# Allegro board gps_interface_boardv46ph.brd (continued)
## Routing (per net, layer and track width the routed paths; a pad name or vN(x,y) marks a point on that pad's centre or on a via; arc(x,y) is an arc through that point) (continued)
  TOP w0.17: R2660.1 5.47,22.21 U100.B2
PPS_OUT_N: length 3.7
  TOP w0.33: U2.6 41.9,130.52 41.96,130.46 41.96,128.55 R12.1
PPS_OUT_P: length 3.6
  TOP w0.33: R11.1 42.49,128.3 42.49,130.46 42.55,130.52 U2.7
R_N_SFP INTERFACE_SFP1: length 2.4
  TOP w0.178: R130.2 281.61,86.34 U22.15
R_N_SFP INTERFACE_SFP2: length 2.4
  TOP w0.178: U26.15 259.54,86.45 R151.2
R_N_SFP INTERFACE_SFP3: length 2.4
  TOP w0.178: R172.2 237.24,86.45 U30.15
R_N_SFP INTERFACE_SFP4: length 2.4
  TOP w0.178: R193.2 208.03,86.45 U34.15
R_N_SFP INTERFACE_SFP5: length 2.4
  TOP w0.178: R214.2 185.73,86.45 U38.15
R_N_SFP INTERFACE_SFP6: length 2.4
  TOP w0.178: R235.2 163.61,86.45 U42.15
R_P_SFP INTERFACE_SFP1: length 2
  TOP w0.178: U22.14 282.13,85.39 R128.2
R_P_SFP INTERFACE_SFP2: length 2
  TOP w0.178: U26.14 260.06,85.49 R149.2
R_P_SFP INTERFACE_SFP3: length 2
  TOP w0.178: R170.2 237.76,85.49 U30.14
R_P_SFP INTERFACE_SFP4: length 2
  TOP w0.178: R191.2 208.55,85.49 U34.14
R_P_SFP INTERFACE_SFP5: length 2
  TOP w0.178: R212.2 186.24,85.49 U38.14
R_P_SFP INTERFACE_SFP6: length 2
  TOP w0.178: R233.2 164.12,85.49 U42.14
RECOV_ACLK_CLK_N: length 7.2
  TOP w0.203: 109.23,83.12 109.25,83.13 U48.2
  TOP w0.33: 106.57,85.65 R2693.2 ; 106.57,85.65 107.06,85.65 107.42,85.29 107.42,84.15 108.45,83.12 109.23,83.12 ; 106.57,85.65 105.45,85.65 C2738.2
RECOV_ACLK_CLK_P: length 7.2
  TOP w0.203: U48.1 109.25,83.63 109.23,83.65
  TOP w0.33: 106.55,86.18 R2693.1 ; 106.55,86.18 105.45,86.18 C2737.2 ; 106.55,86.18 107.28,86.18 107.95,85.51 107.95,84.37 108.67,83.65 109.23,83.65
RS_SFP INTERFACE_ACLK SFP: length 2.7
  TOP w0.203: J30.7 v1(136.01,121.94)
  BOTTOM w0.203: v1(136.01,121.94) 136.01,122.51 136.02,122.52 R2681.2
RS_SFP INTERFACE_SFP1: length 2.7
  TOP w0.203: J13.7 v1(283.28,121.99)
  BOTTOM w0.203: v1(283.28,121.99) 283.28,122.56 283.29,122.57 R129.2 283.29,123.07
RS_SFP INTERFACE_SFP2: length 2.7
  TOP w0.203: J14.7 v1(261.21,121.94)
  BOTTOM w0.203: R150.2 261.21,122.52 261.21,122.51 v1(261.21,121.94)
RS_SFP INTERFACE_SFP3: length 2.7
  TOP w0.203: J18.7 v1(238.91,121.94)
  BOTTOM w0.203: R171.2 238.91,122.52 238.91,122.51 v1(238.91,121.94)
RS_SFP INTERFACE_SFP4: length 2.7
  TOP w0.203: J19.7 v1(209.67,121.94)
  BOTTOM w0.203: R192.2 209.68,122.52 209.67,122.51 v1(209.67,121.94)
RS_SFP INTERFACE_SFP5: length 2.7
  TOP w0.203: J20.7 v1(187.37,121.94)
  BOTTOM w0.203: R213.2 187.38,122.52 187.37,122.51 v1(187.37,121.94)
RS_SFP INTERFACE_SFP6: length 2.7
  TOP w0.203: J21.7 v1(165.25,121.94)
  BOTTOM w0.203: v1(165.25,121.94) 165.25,122.51 165.25,122.52 R234.2
RT_5V5: length 2.6
  TOP w0.165: U6.26 9.38,48.62 8.81,49.19 R42.1
SFP_RD_N: length 20.6
  TOP w0.33: J30.12 134.81,110.59 134.95,110.46 134.95,108.14 135.36,107.73 135.36,101.73 137.79,99.29 137.79,96.55 137.3,96.05 U107.4
SFP_RD_P: length 20.5
  TOP w0.33: U107.1 138.8,96.07 138.33,96.55 138.33,99.51 135.89,101.95 135.89,107.95 135.48,108.36 135.48,110.46 135.61,110.59 J30.13
SFP_TD_N_SFP INTERFACE_SFP1: length 38
  TOP w0.178: C141.2 288.69,81.97 R122.2 R126.1
  TOP w0.33: J13.19 287.68,110.64 287.55,110.51 287.55,108.46 286.64,107.55 286.64,98.35 293.67,91.31 293.67,85.93 291.19,83.44 288.94,83.44 C141.2
SFP_TD_N_SFP INTERFACE_SFP2: length 37.9
  TOP w0.178: C164.2 266.61,82.07 R143.2 R147.1
  TOP w0.33: C164.2 266.87,83.54 269.27,83.54 271.6,85.88 271.6,91.26 264.57,98.3 264.57,107.5 265.48,108.41 265.48,110.46 265.61,110.59 J14.19
SFP_TD_N_SFP INTERFACE_SFP3: length 37.9
  TOP w0.178: C187.2 244.31,82.07 R164.2 R168.1
  TOP w0.33: J18.19 243.31,110.59 243.18,110.46 243.18,108.41 242.27,107.5 242.27,98.3 249.3,91.26 249.3,85.88 246.99,83.57 244.59,83.57 C187.2
SFP_TD_N_SFP INTERFACE_SFP4: length 37.9
  TOP w0.178: R189.1 R185.2 215.1,82.07 C210.2
  TOP w0.33: J19.19 214.07,110.59 213.94,110.46 213.94,108.41 213.03,107.5 213.03,98.3 220.07,91.26 220.07,85.88 217.65,83.46 215.28,83.46 C210.2
SFP_TD_N_SFP INTERFACE_SFP5: length 37.3
  TOP w0.178: C233.2 192.8,82.07 R206.2 R210.1
  TOP w0.33: J20.19 191.77,110.59 191.64,110.46 191.64,108.41 190.73,107.5 190.73,98.09 196.95,91.86 196.95,84.95 195.57,83.57 193.08,83.57 C233.2
SFP_TD_N_SFP INTERFACE_SFP6: length 37.9
  TOP w0.178: R231.1 R227.2 170.68,82.07 C256.2
  TOP w0.33: J21.19 169.65,110.59 169.52,110.46 169.52,108.41 168.61,107.5 168.61,98.3 175.64,91.26 175.64,85.88 173.23,83.46 170.86,83.46 C256.2
SFP_TD_P_SFP INTERFACE_SFP1: length 37.1
  TOP w0.178: R123.1 R121.2 288.69,85.44 C140.2
  TOP w0.33: J13.18 286.88,110.64 287.02,110.51 287.02,108.68 286.11,107.77 286.11,98.13 293.14,91.09 293.14,86.15 290.96,83.97 288.99,83.97 C140.2
SFP_TD_P_SFP INTERFACE_SFP2: length 37.1
  TOP w0.178: 266.61,85.49 R142.2 ; 266.61,85.49 266.61,85.55 266.62,85.55 265.58,85.55 R144.1 ; 266.61,85.49 C163.2
  TOP w0.33: J14.18 264.81,110.59 264.94,110.46 264.94,108.63 264.03,107.72 264.03,98.08 271.07,91.04 271.07,86.1 269.04,84.07 266.92,84.07 C163.2
SFP_TD_P_SFP INTERFACE_SFP3: length 37
  TOP w0.178: C186.2 244.31,85.55 R163.2 R165.1
  TOP w0.33: C186.2 244.59,84.1 246.77,84.1 248.77,86.1 248.77,91.04 241.73,98.08 241.73,107.72 242.64,108.63 242.64,110.46 242.51,110.59 J18.18
SFP_TD_P_SFP INTERFACE_SFP4: length 37
  TOP w0.178: R186.1 R184.2 215.1,85.55 C209.2
  TOP w0.33: J19.18 213.27,110.59 213.41,110.46 213.41,108.63 212.5,107.72 212.5,98.08 219.53,91.04 219.53,86.1 217.43,84 215.48,84 C209.2
SFP_TD_P_SFP INTERFACE_SFP5: length 36.3
  TOP w0.178: R207.1 R205.2 192.8,85.55 C232.2
  TOP w0.33: J20.18 190.97,110.59 191.11,110.46 191.11,108.63 190.2,107.72 190.2,97.87 196.42,91.64 196.42,85.17 195.35,84.1 193.08,84.1 C232.2
SFP_TD_P_SFP INTERFACE_SFP6: length 37
  TOP w0.178: C255.2 170.68,85.55 R226.2 R228.1
  TOP w0.33: C255.2 171.06,84 173.01,84 175.11,86.1 175.11,91.04 168.07,98.08 168.07,107.72 168.98,108.63 168.98,110.46 168.85,110.59 J21.18
SPARE_BNC_CONN_0: length 29.8
  TOP w0.203: P1.1 289.56,7.8 287.71,7.8 287.22,8.28 287.22,9.78 288.21,10.77 288.72,10.77 289.89,11.94 289.89,15.67 289.32,16.24 R109.1 289.32,17.78 289.84,18.3 IC2.2
  BOTTOM w0.203: TP79.1 292.3,9.17 P1.1
SPARE_BNC_CONN_1: length 26.1
  TOP w0.165: 290.34,11.12 290.32,11.14 ; 290.86,17.79 290.87,17.78
  TOP w0.203: 290.87,17.78 R108.1 290.87,16.29 290.32,15.75 290.32,11.14 ; P1.3 290.34,11.12 ; IC2.3 290.34,18.7 290.86,18.19 290.86,17.79
  BOTTOM w0.203: P1.3 289.66,7.9 294.28,7.9 TP78.1
SPARE_LEMO_CONN_0: length 38.3
  TOP w0.203: IC1.2 282.83,18.57 282.28,18.02 R105.1 282.28,16.17 282.85,15.6 282.85,10.95 281.94,10.03 281.94,8.86 282.93,7.87 284.56,7.87 P1.5
  SIG w0.203: TP77.1 272.78,15.16 274.14,13.8 284.7,13.8 285.85,12.65 P1.5
SPARE_LEMO_CONN_1: length 26.8
  TOP w0.203: IC1.3 283.33,18.6 283.88,18.05 R104.1 283.88,16.09 283.31,15.52 P1.7
  SIG w0.203: TP76.1 280.52,11.96 P1.7
SPARE_RJ45_CM: length 18.6
  BOTTOM w0.165: J17.P1 242.66,18.49 242.16,18.99 C128.1 239.12,18.99 239.1,18.96 C127.1 238.1,19.49 238.11,19.5 R117.1 R116.1 236.46,19.51 236.45,19.49 C129.1 232.88,18.96 TP27.1
SQUELCH: length 3.7
  TOP w0.17: U104.27 143.07,69.56 R2687.1
SS_2V5: length 3.5
  TOP w0.17: C85.1 40.13,52.63 40.92,51.84 U12.13
SS_3V3_1: length 3.7
  TOP w0.17: U9.13 40.67,69.85 40.11,70.41 C65.1
SS_3V3_2: length 3.5
  TOP w0.17: C76.1 40.08,85.47 40.84,84.71 U11.13
SS_5V: length 3
  TOP w0.17: C57.1 8.7,71.45 10.38,69.77 U7.13
SYNC_OUT_N: length 3.6
  TOP w0.33: U3.6 16.52,130.49 16.58,130.44 16.58,128.5 R16.1
SYNC_OUT_P: length 3.6
  TOP w0.33: U3.7 17.17,130.49 17.11,130.44 17.11,128.4 R15.1
TEMP_ADDR: length 5.5
  TOP w0.203: R253.1 U46.5 U46.6 U46.7
THRADJ: length 2.5
  TOP w0.17: C2733.2 133.73,72.4 R2686.2 134.07,72.06 U104.9
VP2V5: length 8.3
  TOP w0.203: v1(56.69,47.02) 56.69,46.84 56.97,46.56 U13.11
  SIG w0.203: 50.83,48.97 52.04,47.75 55.27,47.75 56.01,47.02 v1(56.69,47.02)
VP3V3: length 7.4
  TOP w0.203: U10.11 v1(61.44,68.35)
  BOTTOM w0.203: v1(61.44,68.35) v1(55.19,68.35)
VP3V5: length 13
  TOP w0.165: U12.17 43.77,49.59 43.76,49.58 ; 41.96,69.34 41.97,69.35 U9.14 ; 43.74,67.59 43.75,67.6 U9.17 ; 41.99,51.33 41.99,51.34 U12.14
  BOTTOM w0.203: C51.1 4.15,43.23 4.16,43.24 R41.1
  BOTTOM w0.33: TP11.1 28.75,36.83 26.52,39.07 25.86,39.07 v1(22.48,42.44)
  vias: v1(26.75,49.71) v1(26.75,48.67) v1(26.75,47.62) v1(26.75,46.58) v1(26.75,45.54) v1(26.75,44.5) v1(26.75,43.46) v1(26.75,42.42) v1(26.75,41.38) v1(36.55,83.82) v1(36.55,82.75) v1(36.55,81.69) v1(36.55,68.96) v1(36.55,67.89) v1(36.55,66.83) v1(36.58,50.9) v1(36.58,49.83) v1(36.58,48.77) v1(37.62,83.82) v1(37.62,82.75) v1(37.62,81.69) v1(37.62,68.96) v1(37.62,67.89) v1(37.62,66.83) v1(37.64,50.9) v1(37.64,49.83) v1(37.64,48.77) v1(38.68,83.82) v1(38.68,82.75) v1(38.68,81.69) v1(38.68,68.96) v1(38.68,67.89) v1(38.68,66.83) v1(38.71,50.9) v1(38.71,49.83) v1(38.71,48.77)
VP5V: length 10
  TOP w0.165: 13.34,67.51 13.33,67.52 U7.19
  TOP w0.203: U8.11 U8.12 25.03,64.06 24.24,64.85 v1(23.11,64.85)
  BOTTOM w0.203: TP15.1 21.44,64.85 v1(23.11,64.85) C58.2
VP5V5: length 7.9
  TOP w0.165: 10.54,69.27 10.55,69.27 U7.14 ; U100.G4 v1(13.53,24.15) ; U100.H3 v1(14.8,22.88) ; U7.17 12.33,67.52 12.32,67.51 ; U100.F3 v1(12.26,22.88) ; U100.G5 v1(13.53,25.42) ; U100.H4 v1(14.8,24.15) ; U100.H5 v1(14.8,25.42) ; U100.G3 v1(13.53,22.88) ; U100.F5 v1(12.26,25.42) ; U100.F4 v1(12.26,24.15)
  vias: v1(5.13,67.44) v1(5.13,66.07) v1(5.18,68.78) v1(6.25,67.46) v1(6.27,68.78) v1(6.27,66.07) v1(7.42,68.78) v1(7.47,67.51) v1(7.47,66.07)
VP12V: length 15
  TOP w0.165: U100.B5 v1(6.08,25.42) ; U6.6 11.88,43.03 11.89,43.03 ; U6.23 10.88,48.14 10.9,48.16 ; U6.25 9.88,48.03 10.79,48.95 ; U100.A5 v1(4.81,25.42) ; U6.4 10.88,43.01 10.87,43 ; U100.B4 v1(6.08,24.15) ; U6.5 11.38,43.01 11.38,43 ; U100.A1 v1(4.81,19.24) ; U100.A4 v1(4.81,24.15) ; 11.89,48.13 11.88,48.13 U6.21 ; 11.38,48.13 11.38,48.13 U6.22
  TOP w0.203: v1(40.72,31.5) 41.81,30.4 TP9.1
  vias: v1(10.46,40.77) v1(10.46,39.73) v1(10.46,38.66) v1(10.64,52.65) v1(10.67,51.74) v1(10.67,50.77) v1(11.4,48.97) v1(11.38,41.94) v1(11.99,52.6) v1(12.01,51.71) v1(34.92,31.5) v1(34.87,30.15) v1(34.87,28.78) v1(36.02,31.5) v1(35.99,30.18) v1(36.02,28.78) v1(37.16,31.5) v1(37.21,30.23) v1(37.21,28.78) v1(38.43,30.15) v1(38.43,28.78) v1(38.48,31.5) v1(39.55,30.18) v1(39.57,31.5) v1(39.57,28.78) v1(40.77,30.23) v1(40.77,28.78)
VREF: length 1.6
  TOP w0.17: U104.3 138.29,73.86 C2734.1
N00534: length 5.2
  BOTTOM w0.203: R2.2 R4.1 86.98,136.89 86.99,136.89 C1.1
N00638: length 3.5
  TOP w0.203: U1.4 79.84,135.61 v1(79.45,135.99)
  BOTTOM w0.203: v1(79.45,135.99) 79.85,136.39 C3.1
N01450: length 1.8
  TOP w0.17: U104.14 133.86,69.56 C2732.1
N01454: length 1.7
  TOP w0.17: C2732.2 133.59,69.06 U104.15
N01590: length 2.7
  TOP w0.203: U1.7 78.48,131.09 78.47,131.1 R9.1
N02604: length 14.4
  TOP w0.203: R266.1 66.21,133.43 65.63,132.84 61.74,132.84 61.07,132.17 R10.2
  TOP w0.305: R266.1 R265.2 65.96,134.8 v1(65.4,134.24) 64.85,134.24 64.72,134.37 U47.1
  BOTTOM w0.305: v1(65.4,134.24) C5.1
N02878: length 1.9
  TOP w0.203: U47.5 61.75,131.27 61.75,131.27 R10.1
N89867: length 1.5
  TOP w0.165: R21.2 115.01,74.22 U48.25
N89871: length 3.4
  TOP w0.165: R20.2 106.94,82.13 U48.4
N89889: length 3.6
  TOP w0.165: R22.2 107.37,83.11 107.84,82.63 U48.3
N89893: length 1.6
  TOP w0.165: R19.2 120.18,83.63 U48.48
N89897: length 1
  TOP w0.17: R22.1 R20.1
N90109: length 1.5
  TOP w0.165: U48.19 112.01,74.47 112.01,74.47 R26.2
N90113: length 1.7
  TOP w0.165: U48.17 111.01,74.79 110.49,74.27 R25.2
N90529: length 5.7
  TOP w0.203: U48.11 107.32,78.63 106.81,79.15 105,79.15 R23.2
N91101: length 7.8
  TOP w0.165: U48.59 113.51,85.09 113.57,85.16 113.57,89.63 113.36,89.84 112.67,89.84 112.5,89.67 112.5,89.44 112.85,89.09 C36.1
N91105: length 9
  TOP w0.165: U48.58 114.01,85.09 113.94,85.16 113.94,89.78 113.52,90.2 112.52,90.2 112.13,89.82 112.13,89.44 111.79,89.09 C37.1
N107878: length 1.3
  TOP w0.165: U48.39 120.44,79.13 R24.2
N127138: length 8.1
  TOP w0.203: U1.3 80.34,135.82 80.36,135.84 80.36,135.86 v1(80.98,136.47)
  BOTTOM w0.203: C1.2 84.71,135.64 83.87,136.47 v1(80.98,136.47)
N140138: length 2.9
  TOP w0.165: U6.13 15.11,45.32 15.11,45.31 ; 15.11,45.82 15.11,45.82 U6.14 ; 15.11,46.3 15.1,46.32 U6.15 ; 15.14,44.83 15.12,44.82 U6.12 ; 15.11,46.81 15.11,46.82 U6.16
N146225: length 0.9
  TOP w0.165: 44.75,67.59 44.75,67.6 U9.19 ; U9.2 46.5,69.35 46.53,69.32
N146320: length 2.4
  TOP w0.17: U9.6 46.07,72.49 v1(46.15,72.49)
  BOTTOM w0.17: R63.1 45.75,72.8 46.05,72.49 v1(46.15,72.49)
N146332: length 1.9
  TOP w0.17: U9.11 v1(41.59,70.85)
  BOTTOM w0.17: R65.1 41.02,70.87 41.03,70.85 v1(41.59,70.85)
N146446: length 2.3
  TOP w0.17: U9.10 43.25,72.06 42.86,72.44 v1(42.6,72.44)
  BOTTOM w0.17: R64.1 42.75,72.82 42.6,72.67 v1(42.6,72.44)
N179430: length 1.7
  TOP w0.165: U48.51 117.51,85.68 C34.1
N179442: length 1.7
  TOP w0.165: C35.1 118.01,85.58 U48.50
N180853: length 13.3
  TOP w0.33: J100.3 116.56,98.9 117.54,97.92 117.54,87.87 117.25,87.58 C34.2
N180901: length 13.3
  TOP w0.33: J101.3 119.06,98.9 118.07,97.92 118.07,87.87 118.36,87.58 C35.2
N185241: length 0.5
  TOP w0.165: U11.2 46.47,84.21 46.51,84.18
N222457: length 29.3
  TOP w0.17: v1(134.7,98.53) 134.47,98.76 134.47,107.44 134.05,107.86 v1(133.34,107.86) 133.32,107.86 ; v1(146.75,91.4) 147.23,91.4 148.01,92.18 U106.4
  TOP w0.203: 133.32,107.86 D43.2
  SIG w0.17: v1(146.75,91.4) 146.75,93.03 141.25,98.53 v1(134.7,98.53)
N222469: length 3.4
  TOP w0.203: v1(130.65,106.6) 131,106.25 131.9,106.25 131.91,106.26 D43.1
  BOTTOM w0.203: R2690.1 v1(130.65,106.6)
N224400: length 130.4
  TOP w0.203: v1(217.37,32.13) 214.45,29.21 214.45,17.5 214.81,17.14 U53.16 ; J18.2 v1(242.91,122.03)
  SIG w0.165: v1(217.37,32.13) 217.37,53.26 226.52,62.41 226.52,77.75 v1(228.19,79.43) 228.19,84.45 229.82,86.08 229.82,114.35 234.75,119.28 234.75,121.72 235.99,122.96 240.03,122.96 240.96,122.03 v1(242.91,122.03)
  BOTTOM w0.165: U32.1 230.43,81.66 v1(228.19,79.43)
  BOTTOM w0.203: v1(242.91,122.03) 242.91,123.01 R166.2
N224404: length 121.9
  TOP w0.203: v1(218.67,32.11) 217.32,30.76 217.32,18 217.12,17.79 U53.15 ; J18.8 238.11,121.77 237.91,121.97 v1(237.85,121.97)
  SIG w0.165: v1(237.85,121.97) 237.85,120.7 235.89,118.75 235.15,118.75 230.43,114.02 230.43,85.45 229.31,84.33 v1(229.31,79.35) 228.45,78.49 228.45,58.67 218.67,48.9 v1(218.67,32.11)
  BOTTOM w0.165: v1(229.31,79.35) 230.43,80.47 232.05,80.47 232.54,80.95 U32.2
  BOTTOM w0.203: R167.2 237.97,122.1 v1(237.85,121.97)
N224432: length 150.2
  TOP w0.203: U53.20 213.04,14.54 212.29,15.29 212.29,28.68 v1(209.8,31.17) ; J19.2 v1(213.67,122.03)
  SIG w0.165: v1(209.8,31.17) 210.57,30.4 211.28,30.4 211.93,31.05 211.93,36.35 210.57,37.71 210.57,42.82 211.56,43.81 211.56,61.37 200.56,72.36 v1(200.56,82.47) 202.06,83.97 202.06,99.66 203.12,100.73 203.12,103.54 201.73,104.93 201.73,106.68 203.61,108.56 218.95,108.56 220.6,110.21 220.6,121.36 220.32,121.64 214.06,121.64 v1(213.67,122.03)
  BOTTOM w0.165: U36.1 202.37,82.11 202.01,82.47 v1(200.56,82.47)
  BOTTOM w0.203: R187.2 213.67,123.01 v1(213.67,122.03)
N224436: length 152.2
  TOP w0.203: U53.19 214.65,15.19 213.44,16.41 213.44,28.68 v1(210.95,31.17) ; J19.8 208.87,121.77 208.67,121.97 v1(208.61,121.97)
  SIG w0.165: v1(210.95,31.17) 210.95,35.92 209.68,37.19 209.68,43.05 210.95,44.32 210.95,60.93 199.82,72.06 v1(199.82,83.21) 201.55,84.94 201.55,99.87 202.62,100.94 202.62,103.33 201.22,104.72 201.22,106.83 205.54,111.15 218.82,111.15 220.09,112.42 220.09,120.27 219.28,121.08 213.11,121.08 212.85,121.34 212.85,122.25 212.34,122.76 209.27,122.76 208.61,122.1 v1(208.61,121.97)
  BOTTOM w0.165: v1(199.82,83.21) 203.16,83.21 203.33,83.04 U36.2
  BOTTOM w0.203: R188.2 208.74,122.1 v1(208.61,121.97)
N224464: length 213.7
  TOP w0.203: v1(207.42,31.17) 209.93,28.65 209.93,18.44 207.21,15.72 U52.7 ; J20.2 v1(191.37,122.03)
  SIG w0.165: v1(191.37,122.03) 192.87,122.03 193.68,122.83 196.98,122.83 201.7,127.56 204.11,127.56 206.5,125.17 214.58,125.17 216.61,123.14 222.63,123.14 227.03,118.75 227.03,88.57 213.54,75.08 213.54,31.09 211.71,29.26 209.32,29.26 v1(207.42,31.17)
  BOTTOM w0.165: v1(191.37,122.03) 193.72,122.03 194.77,120.98 194.77,115.21 191.44,111.89 191.44,98.2 180.07,86.83 U40.1
  BOTTOM w0.203: v1(191.37,122.03) 191.37,123.01 R208.2
N224468: length 224.3
  TOP w0.203: v1(186.31,121.97) 186.37,121.97 186.57,121.77 J20.8 ; U52.6 206.29,15.07 206.32,15.04 207.8,15.04 211.07,18.31 211.07,28.65 v1(208.56,31.17)
  SIG w0.165: v1(208.56,31.17) 210.03,29.69 211.43,29.69 213.16,31.42 213.16,75.31 226.59,88.75 226.59,118.57 222.45,122.71 216.43,122.71 214.4,124.74 206.32,124.74 203.94,127.13 201.88,127.13 197.16,122.4 193.85,122.4 192.38,120.93 191.16,120.93 190.58,121.51 190.58,122.22 189.87,122.94 186.94,122.94 186.31,122.3 v1(186.31,121.97)
  BOTTOM w0.165: v1(186.31,121.97) 186.31,121.06 183.01,117.75 183.01,115.67 185.27,113.41 185.27,110.95 187.71,108.51 187.71,107.16 189.69,105.18 189.69,97.23 178.58,86.12 178.58,80.91 179.37,80.11 180.34,80.11 181.03,80.8 U40.2
  BOTTOM w0.203: v1(186.31,121.97) 186.44,122.1 R209.2
N224492: length 253.2
  TOP w0.203: U52.11 206.84,18.32 207.95,19.43 207.95,28.35 v1(205.18,31.11) ; J21.2 v1(169.25,122.03)
  SIG w0.165: v1(205.18,31.11) 208.05,28.24 212.01,28.24 214.38,30.61 214.38,74.68 227.89,88.19 227.89,127.13 225.7,129.31 171.32,129.31 170.05,128.04 170.05,123.39 169.25,122.59 v1(169.25,122.03)
  BOTTOM w0.165: v1(169.25,122.03) 171.87,122.03 172.62,121.28 172.62,114.99 169.67,112.04 169.67,106.53 168.35,105.21 168.35,98.76 166.12,96.52 158.34,96.52 155.83,94.01 155.83,91.03 157.95,88.91 U44.1
  BOTTOM w0.203: R229.2 169.25,123.01 v1(169.25,122.03)
N224496: length 258.2
  TOP w0.203: J21.8 164.45,121.77 164.25,121.97 v1(164.19,121.97) ; v1(206.32,31.17) 209.09,28.4 209.09,19.39 207.37,17.67 U52.10
  SIG w0.165: v1(164.19,121.97) 164.19,121.46 164.8,120.85 169.77,120.85 170.76,121.84 170.76,127.89 171.75,128.88 225.27,128.88 227.48,126.67 227.48,88.34 213.92,74.78 213.92,30.68 212.01,28.78 208.71,28.78 v1(206.32,31.17)
  BOTTOM w0.165: U44.2 158.9,81.15 158.04,80.29 157.1,80.29 156.59,80.8 156.59,88.52 154.94,90.17 154.94,95.3 157.2,97.56 161.85,97.56 164.92,100.63 164.92,109.12 163.53,110.52 163.53,112.57 160.71,115.39 160.71,117.14 164.19,120.62 v1(164.19,121.97)
  BOTTOM w0.203: R230.2 164.31,122.1 v1(164.19,121.97)
N245271: length 3.5
  TOP w0.305: D5.2 20.94,76.12 20.95,76.13 v1(21.96,76.13)
  BOTTOM w0.305: Q4.2 v1(21.96,76.13)
N245311: length 7.2
  TOP w0.305: D5.1 v1(18.61,78.12)
  BOTTOM w0.305: R51.1 21.21,78.51 20.82,78.12 v1(18.61,78.12)
N245859: length 7.3
  TOP w0.305: D4.2 v1(9.09,33.05)
  BOTTOM w0.305: v1(9.09,33.05) 9.09,29.57 8.27,28.74 Q3.2
N245899: length 1.7
  TOP w0.165: D4.1 12.31,31.37 R44.1
N246142: length 3.3
  TOP w0.305: D6.2 52.33,90.96 52.34,90.97 v1(53.35,90.97)
  BOTTOM w0.305: Q5.2 v1(53.35,90.97)
N246182: length 6.9
  TOP w0.305: D6.1 v1(50,92.82)
  BOTTOM w0.305: R57.1 50.62,93.45 v1(50,92.82)
N266416: length 137
  TOP w0.203: J14.2 v1(265.21,122.03) ; U53.11 220.87,18.44 220.07,19.25 v1(220.07,30.56)
  SIG w0.165: v1(265.21,122.03) 263.49,122.03 262.59,122.94 258.32,122.94 257.05,121.67 257.05,119.25 252.91,115.11 252.91,108.43 252.25,107.77 252.25,98.96 253.34,97.87 253.34,85.29 250.57,82.52 250.57,79.5 v1(250.49,79.43) 250.73,79.19 250.73,64.01 220.07,33.35 v1(220.07,30.56)
  BOTTOM w0.165: U28.1 252.73,81.66 v1(250.49,79.43)
  BOTTOM w0.203: R145.2 265.21,123.01 v1(265.21,122.03)
N266420: length 134.3
  TOP w0.203: v1(218.92,30.56) 218.92,18.97 220.1,17.79 U53.10 ; J14.8 260.41,121.77 260.21,121.97 v1(260.15,121.97)
  SIG w0.165: v1(218.92,30.56) 219.71,29.77 220.47,29.77 220.98,30.28 220.98,33.12 251.54,63.68 251.54,79.27 v1(251.61,79.35) 251.61,82.73 253.93,85.05 253.93,98.11 252.84,99.2 252.84,107.53 253.5,108.19 253.5,114.87 257.84,119.2 258.42,119.2 260.15,120.93 v1(260.15,121.97)
  BOTTOM w0.165: U28.2 254.84,80.95 254.36,80.47 252.73,80.47 v1(251.61,79.35)
  BOTTOM w0.203: R146.2 260.27,122.1 v1(260.15,121.97)
N279924: length 0.9
  TOP w0.165: 44.78,49.58 44.77,49.59 U12.19 ; 46.56,51.31 46.52,51.34 U12.2
N280018: length 3.6
  TOP w0.305: D7.2 52.25,57.48 52.27,57.46 v1(53.6,57.46)
  BOTTOM w0.305: Q6.2 v1(53.6,57.46)
N280022: length 11.1
  TOP w0.305: D7.1 v1(47.85,57.48)
  BOTTOM w0.305: v1(47.85,57.48) 47.85,58.7 48.97,59.82 52.27,59.82 52.7,60.25 R62.1
N304882: length 5.1
  TOP w0.203: U6.2 9.88,42.81 8.76,41.69 v1(8.76,40.56)
  BOTTOM w0.203: C17.1 v1(8.76,40.56)
N322365: length 2.9
  TOP w0.17: v1(46.94,71.6) 46.94,71.26 46.53,70.85 U9.5
  BOTTOM w0.17: v1(46.94,71.6) 46.94,71.12 47.22,70.84 R70.1
N322369: length 2
  TOP w0.17: U9.7 44.75,72.43 v1(44.98,72.67)
  BOTTOM w0.17: v1(44.98,72.67) 44.98,73.21 R112.1
N322373: length 1.8
  TOP w0.17: v1(43.79,72.82) 43.75,72.78 U9.9
  BOTTOM w0.17: v1(43.79,72.82) 43.76,72.85 R113.1
N323562: length 2.6
  TOP w0.17: v1(46.84,86.49) 46.84,86.16 46.39,85.71 U11.5
  BOTTOM w0.17: v1(46.84,86.49) 47.07,86.49 R114.1
N323566: length 3
  TOP w0.17: U11.6 45.22,86.75 45.97,87.5 v1(46.15,87.5)
  BOTTOM w0.17: v1(46.15,87.5) 46.15,87.94 45.75,88.34 R115.1
N323570: length 2.5
  TOP w0.17: v1(44.98,87.68) 44.96,87.68 44.72,87.44 U11.7
  BOTTOM w0.17: R118.1 44.98,88.58 v1(44.98,87.68)
N323574: length 2.6
  TOP w0.17: v1(43.38,87.81) 43.72,87.47 U11.9
  BOTTOM w0.17: R255.1 43.38,88.5 v1(43.38,87.81)
N323578: length 2.9
  TOP w0.17: U11.10 43.22,86.8 42.57,87.45 v1(42.39,87.45)
  BOTTOM w0.17: R256.1 42.7,88.34 42.54,88.18 42.54,87.6 v1(42.39,87.45)
N323582: length 1.9
  TOP w0.17: U11.11 v1(41.59,85.71)
  BOTTOM w0.17: R257.1 41.02,85.7 41.03,85.71 v1(41.59,85.71)
N325169: length 2.9
  TOP w0.17: U12.6 45.27,54.06 45.92,54.71 v1(46.13,54.71)
  BOTTOM w0.165: v1(46.13,54.71) 45.82,55.02 45.82,55.43 45.8,55.45 R259.1
N325173: length 2.5
  TOP w0.17: U12.7 44.77,54.63 v1(45.09,54.94)
  BOTTOM w0.17: v1(45.09,54.94) 44.78,55.24 R260.1
N325177: length 2.3
  TOP w0.17: U12.9 v1(43.77,54.89)
  BOTTOM w0.17: R261.1 43.76,55.45 43.77,55.44 v1(43.77,54.89)
N325181: length 2.5
  TOP w0.17: U12.10 43.27,54.31 v1(42.72,54.86)
  BOTTOM w0.17: v1(42.72,54.86) 42.72,55.43 42.75,55.45 R262.1
N325185: length 1.9
  TOP w0.17: U12.11 v1(41.6,52.84)
  BOTTOM w0.17: R263.1 41.04,52.88 41.09,52.84 v1(41.6,52.84)
N325191: length 3
  TOP w0.17: U12.5 46.19,52.84 46.86,53.51 v1(46.86,53.75)
  BOTTOM w0.17: R258.1 47.27,52.83 46.86,53.24 v1(46.86,53.75)
N339027: length 12.9
  TOP w0.305: D2.2 106.3,70.82 106.69,70.42 v1(106.69,69.71)
  BOTTOM w0.305: Q1.2 106.09,62.17 106.69,62.78 R32.1 v1(106.69,69.71)
N339674: length 5.9
  TOP w0.305: v1(102.21,68.22) 102.49,68.5 D1.1
  BOTTOM w0.305: R32.2 R33.1 102.21,67.07 v1(102.21,68.22)
N339693: length 3.1
  TOP w0.305: D2.1 v1(102.21,70.82)
  BOTTOM w0.305: v1(102.21,70.82) 102.21,70.13 102.2,70.12 R34.1
N350589: length 2.1
  BOTTOM w0.203: R110.1 300.41,19.42 300.41,19.43 J15.1
N350593: length 2.1
  BOTTOM w0.203: J16.1 300.43,24.38 300.45,24.37 R111.1
N351209: length 153.6
  TOP w0.203: v1(226.01,30.56) 226.01,16.92 224.94,15.84 U53.7 ; J13.2 v1(287.28,122.08)
  SIG w0.165: v1(226.01,30.56) 226.01,33.71 253.87,61.57 263.04,61.57 271.78,70.31 271.78,78.54 v1(272.57,79.32) 276.05,82.8 276.05,97.84 274.68,99.21 274.68,115.32 279.32,119.96 279.32,121.51 280.64,122.83 284.81,122.83 285.56,122.08 v1(287.28,122.08)
  BOTTOM w0.165: v1(272.57,79.32) 274.8,81.56 U24.1
  BOTTOM w0.203: v1(287.28,122.08) 287.28,123.01 R124.2
N351234: length 148.9
  TOP w0.203: U53.6 225.89,15.19 227.13,16.43 v1(227.13,30.56) ; J13.8 282.48,121.82 282.28,122.02 v1(282.22,122.02)
  SIG w0.165: v1(227.13,30.56) 227.13,33.25 254.33,60.45 263.5,60.45 272.9,69.85 272.9,78.46 v1(273.69,79.25) 276.86,82.42 276.86,97.64 275.21,99.29 275.21,114.48 279.86,119.13 280.52,119.13 282.22,120.83 v1(282.22,122.02)
  BOTTOM w0.165: v1(273.69,79.25) 274.8,80.37 276.43,80.37 276.91,80.85 U24.2
  BOTTOM w0.203: 282.35,123.07 R125.2 282.35,122.15 v1(282.22,122.02)
N352210: length 2.4
  BOTTOM w0.203: J11.1 271.72,19.43 271.7,19.45 R106.1
N352214: length 2.4
  BOTTOM w0.305: R107.1 271.7,24.37 271.72,24.38 J12.1
N361011: length 268.2
  TOP w0.17: v1(120.24,126.59) 120.24,123.49 120.85,122.89 U105.2
  TOP w0.203: U53.4 226.77,13.89 229.31,16.43 v1(229.31,30.56) ; J30.8 135.21,121.77 135.01,121.97 v1(134.95,121.97)
  SIG w0.17: v1(120.24,126.59) 121.77,126.59 121.79,126.57 130.48,126.57 133.32,123.72 133.32,123.04 134.39,121.97 v1(134.95,121.97) 134.95,121.51 135.79,120.68 140.36,120.68 141.68,122 141.68,127.2 143.36,128.88 161.16,128.88 162.03,129.74 226.19,129.74 228.3,127.63 228.3,87.91 214.76,74.37 214.76,30.17 216.1,28.83 227.58,28.83 v1(229.31,30.56)
  BOTTOM w0.203: v1(134.95,121.97) 135.08,122.1 R2677.2
N361478: length 266.4
  TOP w0.17: U105.1 v1(121.72,129.49)
  TOP w0.203: J30.2 v1(140.01,122.03) ; v1(228.22,30.56) 228.22,16.41 226.35,14.54 U53.5
  SIG w0.17: v1(228.22,30.56) 226.92,29.26 216.28,29.26 215.19,30.35 215.19,74.19 228.73,87.73 228.73,127.81 226.34,130.2 161.87,130.2 160.99,129.31 143.1,129.31 141.1,127.3 141.1,122.94 140.19,122.03 v1(140.01,122.03) 140.01,124.58 139.29,125.3 137.11,125.3 136.35,126.06 136.35,127.84 134.67,129.51 123.6,129.51 123.57,129.49 v1(121.72,129.49)
  BOTTOM w0.203: v1(140.01,122.03) 140.01,123.01 R2676.2
